# Allegro board LAY-27392_C.brd (continued)
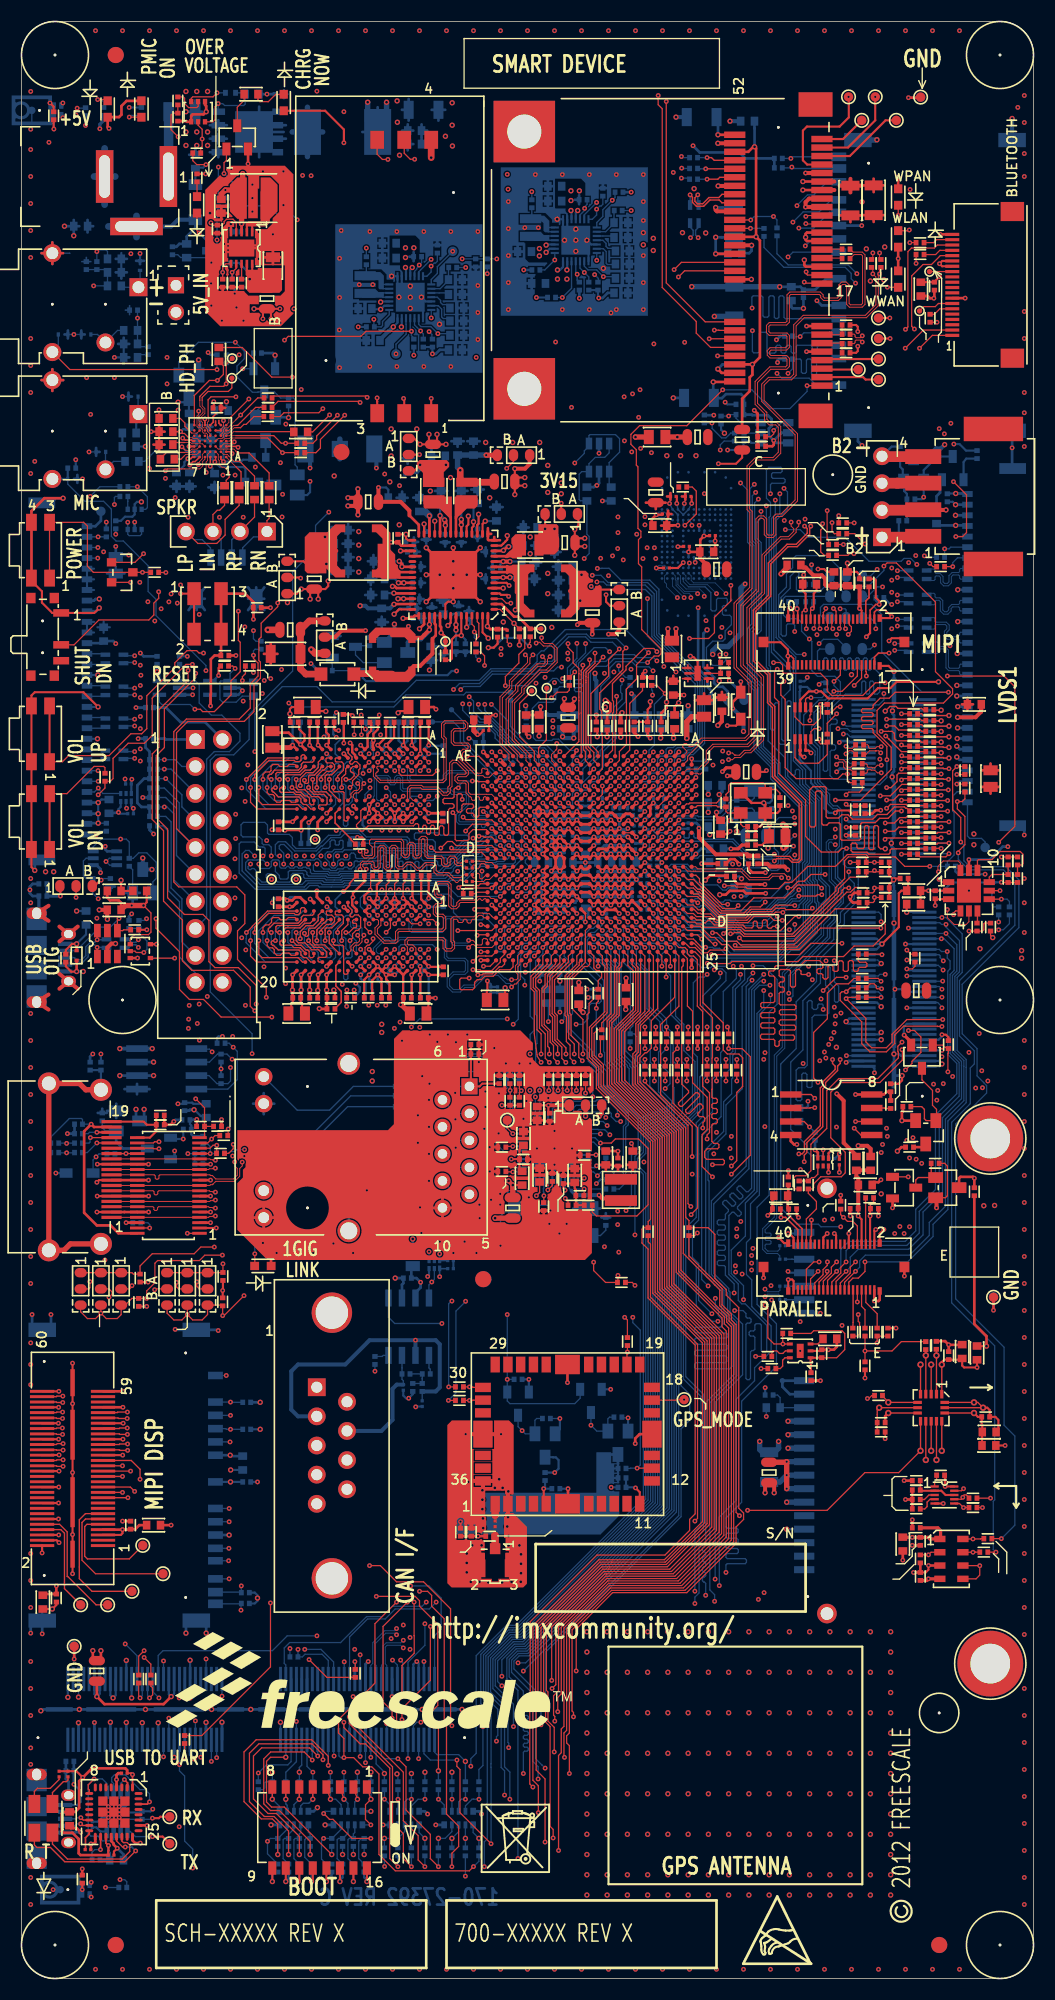
[diagram p0: board, top side]
## Routing (per net, layer and track width the routed paths; a pad name or vN(x,y) marks a point on that pad's centre or on a via; arc(x,y) is an arc through that point) (continued)
SD2_DATA0: length 90.5
  TOP w0.119: U1.A22 63.61,98.21 v1(64.01,97.81)
  L3_INT_1 w0.114: v1(71.37,139.7) 71.37,140.46 71.6,140.7 71.6,146.02 73.06,147.49 73.06,152.4 72.62,152.85 72.62,156.92 73.25,157.56 73.25,162.36 72.59,163.02 v1(72.59,165.25)
  BOTTOM w0.119: v1(72.59,165.25) 73.56,166.22 75.06,166.22 76.19,167.35 J500.7 ; v1(64.01,97.81) 64.01,97.21 63.99,97.2 63.99,96.44 64.42,96.01 64.69,96.01 64.73,95.96 65.1,95.96 65.16,96.02 71.36,96.02 72.3,96.96 73.12,96.96 74.67,98.51 74.67,99.7 75.25,100.28 75.25,101.1 75.7,101.55 75.7,102.77 75.09,103.39 75.01,103.46 75.01,104.14 75.04,104.17 75.04,110.85 73.5,112.39 73.5,113.71 72.64,114.58 72.64,123.18 70.8,125.02 70.8,137.29 71.37,137.85 v1(71.37,139.7)
SD2_DATA1: length 93.5
  TOP w0.178: U1.E20 v1(60.27,99.41)
  L3_INT_1 w0.114: v1(72.97,166.8) 72.16,165.99 72.16,162.89 72.82,162.23 72.82,157.81 72.11,157.1 72.11,153.8 69.85,151.54 69.85,148.51 70.1,148.27 v1(70.1,138.56)
  BOTTOM w0.119: v1(60.27,99.41) 60.68,99 61.23,99 61.46,98.77 61.46,98.45 61.71,98.2 64.17,98.2 64.64,97.72 65.47,97.72 65.9,97.29 66.46,97.29 67.06,96.69 71.09,96.69 72.02,97.62 72.85,97.62 74.01,98.78 74.01,100.91 74.43,101.33 74.43,103.11 74.2,103.34 74.2,104.69 74.38,104.87 74.38,110.58 71.89,113.06 71.89,114.83 70.26,116.45 70.26,123.24 70.1,123.41 v1(70.1,138.56) ; J500.8 75.81,169.05 74.57,167.82 73.96,167.82 72.97,166.83 v1(72.97,166.8)
SD2_DATA2: length 91
  TOP w0.119: v1(66.29,96.9) 66.17,96.77 64.81,96.77 64.54,96.51 64.2,96.51 63.3,97.41 U1.A23
  L3_INT_1 w0.114: v1(70.48,139.7) 70.48,140.59 70.8,140.9 70.8,144.14 70.4,144.54 70.4,145.81 72.63,148.04 72.63,149.97 71.58,151.03 v1(71.09,151.03)
  BOTTOM w0.119: v1(70.48,139.7) 70.48,140.56 70.61,140.69 71.73,140.69 71.86,140.82 71.86,141.02 71.73,141.15 70.71,141.15 70.59,141.27 70.59,141.56 70.71,141.68 71.45,141.68 71.58,141.81 71.58,142.06 71.45,142.19 70.33,142.19 70.1,141.96 70.1,139.27 70.48,138.89 70.48,137.61 70.36,137.49 70.36,137.48 70.36,137.47 70.36,123.55 70.48,123.42 70.48,117.59 70.6,117.47 70.75,117.47 70.87,117.59 70.87,119.93 70.98,120.04 71.14,120.04 71.25,119.93 71.25,116.28 71.4,116.13 71.86,116.13 72.11,115.88 72.11,113.16 74.6,110.67 74.6,104.78 74.48,104.66 74.48,103.37 74.65,103.2 74.65,101.3 74.81,101.13 74.81,100.47 74.23,99.88 74.23,98.69 72.94,97.4 72.12,97.4 71.18,96.46 66.73,96.46 v1(66.29,96.9) ; v1(71.09,151.03) 71.55,150.57 74.13,150.57 74.78,149.92 J500.9
SD2_DATA3: length 90.6
  TOP w0.119: U1.B22 62.67,97.81 63.23,97.81 63.47,97.58 63.47,97.56 63.99,97.04 v1(64.38,97.04)
  L3_INT_1 w0.114: v1(70.94,139.1) 70.94,140.48 71.32,140.87 71.32,146.1 72.85,147.62 72.85,150.32 v1(72.14,151.03)
  BOTTOM w0.119: v1(64.38,97.04) 65.03,97.04 65.12,96.95 65.69,96.95 66.4,96.24 71.27,96.24 72.21,97.18 73.03,97.18 74.45,98.6 74.45,99.79 75.03,100.37 75.03,101.23 74.9,101.36 74.9,103.26 74.7,103.46 74.7,104.57 74.82,104.69 74.82,110.76 73.24,112.33 73.24,113.64 73.12,113.77 72.95,113.77 72.82,113.64 72.82,113.31 72.74,113.22 72.5,113.22 72.41,113.31 72.41,120.11 72.3,120.22 72.15,120.22 72.03,120.11 72.03,116.59 71.91,116.46 71.67,116.46 71.54,116.59 71.54,120.46 72.34,121.26 72.34,123.03 70.58,124.79 70.58,137.38 70.94,137.74 v1(70.94,139.1) ; v1(72.14,151.03) 72.56,151.45 R549.1 73.27,152.37 73.39,152.26 73.39,151.15 73.51,151.03 73.75,151.03 73.87,151.15 73.87,152.26 73.99,152.37 74.22,152.37 74.34,152.26 74.34,151 74.47,150.88 74.69,150.88 74.82,151 74.82,152.26 74.94,152.37 75.98,152.37 76.03,152.42 J500.1
SD2_DATA4: length 90.5
  TOP w0.119: U1.A19 63.28,100.61 63.66,100.23 63.91,100.23 63.97,100.17 64.86,100.17 65.46,99.58 68.26,99.58 68.85,100.17 70.8,100.17 70.96,100.34 71.63,100.34 v1(71.65,100.31)
  L3_INT_1 w0.114: v1(69.09,139.83) 69.35,140.09 69.35,140.75 67.87,142.23 67.87,156.41 68,156.54 68.66,156.54 68.78,156.41 v1(68.78,155.04)
  BOTTOM w0.119: J500.10 75.01,153.67 74.89,153.55 74.89,153.1 74.77,152.98 74.53,152.98 74.41,153.1 74.41,153.55 74.29,153.67 73.02,153.67 72.9,153.55 72.9,153.05 72.78,152.93 72.55,152.93 72.43,153.05 72.43,153.55 72.31,153.67 72.07,153.67 71.95,153.55 71.95,153.05 71.83,152.93 71.59,152.93 71.47,153.05 71.47,153.55 71.35,153.67 71.11,153.67 70.99,153.55 70.99,153.05 70.87,152.93 70.28,152.93 70.15,153.06 70.15,154.76 70.03,154.89 69.55,154.89 69.42,154.76 69.42,153.09 69.29,152.96 68.91,152.96 68.78,153.09 v1(68.78,155.04) ; v1(71.65,100.31) 71.91,100.58 72.93,100.58 73.16,100.8 73.16,101 73.76,101.6 73.76,102.71 73.5,102.97 73.5,104.93 73.71,105.15 73.71,110.3 70.94,113.08 70.94,114.18 69.38,115.75 69.38,121.45 68.77,122.05 68.77,126.75 69.17,127.14 69.17,134.92 68.77,135.32 68.77,139.51 v1(69.09,139.83)
SD2_DATA5: length 92.5
  TOP w0.119: v1(64.14,100.56) 63.68,100.56 63.23,101.01 62.67,101.01 U1.B18
  L3_INT_1 w0.114: v1(68.96,140.59) 67.49,142.06 67.49,157.02 67.61,157.15 68.73,157.15 v1(68.76,157.17)
  BOTTOM w0.119: J500.11 71.88,156.17 71.75,156.3 71.75,158.19 71.63,158.32 71.4,158.32 71.27,158.19 71.27,156.31 71.15,156.18 70.97,156.18 70.84,156.31 70.84,158.19 70.71,158.32 70.46,158.32 70.33,158.19 70.33,156.44 70.21,156.31 69.9,156.31 69.77,156.44 69.77,158.19 69.65,158.32 68.86,158.32 68.73,158.19 68.73,157.2 v1(68.76,157.17) ; v1(64.14,100.56) 64.14,100.11 64.57,99.67 67.19,99.67 67.54,99.31 69.94,99.31 70.96,100.34 71.03,100.34 71.53,100.84 72.03,100.84 72.57,101.38 73.23,101.38 73.54,101.69 73.54,102.62 73.15,103 73.15,104.9 73.49,105.24 73.49,110.21 70.71,112.99 70.71,114.09 69.15,115.65 69.15,121.3 68.55,121.91 68.55,126.89 68.94,127.28 68.94,134.84 68.55,135.23 68.55,140.17 v1(68.96,140.59)
SD2_DATA6: length 91.7
  TOP w0.119: v1(72.11,102.63) 72.47,102.63 73.09,103.25 73.66,103.25 74.3,103.89 v1(75.62,103.89)
  TOP w0.178: v1(60.27,101.81) U1.E17
  L3_INT_1 w0.114: v1(75.62,103.89) 75.62,104.3 75.61,104.31 75.61,106.16 75.61,106.16 75.61,112.01 76.2,112.59 76.2,113.13 76.2,113.13 76.2,115.06 76.32,115.18 76.32,117.68 76.32,118.4 76.32,118.4 76.32,120.65 75.95,121.02 75.95,123.56 73.47,126.04 73.47,126.99 71.82,128.64 71.82,131.2 73.46,132.84 73.46,133.68 75,135.22 75,137.73 73.04,139.68 73.04,143.26 80.16,150.38 80.16,156.26 74.05,162.37 74.05,162.73 v1(73.76,163.02)
  BOTTOM w0.119: J500.12 74.42,163.68 v1(73.76,163.02) ; v1(60.27,101.81) 60.68,102.22 61.23,102.22 61.48,102.47 61.48,102.77 61.71,103 62.35,103 63.25,102.11 64.08,102.11 65.28,100.91 65.97,100.91 66.31,100.57 69.94,100.57 71.1,101.72 71.66,101.72 72.11,102.17 v1(72.11,102.63)
SD2_DATA7: length 92.9
  TOP w0.119: v1(73.15,101.85) 74.77,101.85 74.9,101.98 v1(75.31,101.98)
  TOP w0.178: v1(61.87,101.01) U1.C18
  L3_INT_1 w0.114: v1(73.15,164.69) 73.15,162.92 79.8,156.26 79.8,150.54 72.83,143.56 72.83,139.04 74.75,137.11 74.75,135.44 73.13,133.82 73.13,132.82 71.56,131.25 71.56,128.59 73.25,126.9 73.25,125.95 75.69,123.51 75.69,120.97 76.1,120.56 76.1,118.31 76.1,115.27 75.98,115.15 75.98,113.04 75.98,113.04 75.98,112.68 75.4,112.1 75.4,106.25 75.4,106.25 75.4,104.21 75.23,104.05 75.23,103.73 75.68,103.28 75.68,102.35 v1(75.31,101.98)
  BOTTOM w0.119: v1(73.15,101.85) 72.9,101.6 72.48,101.6 71.94,101.06 71.37,101.06 70.2,99.89 65.35,99.89 64.3,100.95 63.93,100.95 63.81,100.83 62.37,100.83 62.31,100.89 62.27,100.89 62.15,101.01 v1(61.87,101.01) ; J500.13 76.03,166.18 74.55,164.69 v1(73.15,164.69)
SD2_WP: length 93.8
  TOP w0.178: v1(61.07,101.81) U1.D17
  L3_INT_1 w0.114: v1(67.67,140.72) 66.8,141.59 66.8,142.81 67.16,143.17 67.16,166.01 v1(72.4,171.25)
  BOTTOM w0.119: v1(61.07,101.81) 61.32,101.81 61.71,102.2 62.21,102.2 62.58,101.83 64.04,101.83 65.54,100.33 70.02,100.33 71.19,101.5 71.75,101.5 72.29,102.04 72.38,102.04 72.68,102.34 72.68,102.65 72.93,102.91 72.93,104.99 73.27,105.33 73.27,110.12 70.49,112.89 70.49,114 68.93,115.56 68.93,121.21 68.33,121.82 68.33,127.05 68.71,127.44 68.71,134.74 68.33,135.13 68.33,140.06 v1(67.67,140.72)
  BOTTOM w0.127: J500.15 72.55,171.4 v1(72.4,171.25) R502.2
SD3_CD_B: length 123.3
  TOP w0.119: v1(63.64,101.22) 63.56,101.22 63.37,101.41 U1.A18
  L6_INT_2 w0.114: v1(63.64,101.22) 63.64,100.39 63.72,100.32 63.72,99.95 64.88,98.78 67.23,98.78 67.71,98.3 67.72,98.3 67.94,98.08 67.94,97.41 66.29,95.76 66.29,94.49 66.04,94.23 64.77,94.23 64.52,94.48 v1(64.52,94.49) ; v1(20.7,36.96) 22.48,36.96 25.24,34.19 30.15,34.19 33.8,37.85 39.62,37.85 41.73,35.74 47.72,35.74 48.44,36.46 v1(63.37,36.46)
  BOTTOM w0.119: v1(64.52,94.49) 64.52,94.49 64.26,94.23 63.76,94.23 63.22,93.69 63.22,87.1 63.6,86.72 63.6,81.56 62.29,80.25 62.29,56.43 63.95,54.77 63.95,42.64 63.37,42.06 v1(63.37,36.46) ; J507.14 20.66,36.37 20.7,36.33 ; 20.7,36.33 v1(20.7,36.96) ; 20.7,36.33 R674.2
SD3_CLK: length 139.3
  TOP w0.178: U1.D14 v1(61.07,104.21)
  L6_INT_2 w0.114: v1(68.83,95.3) 68.83,96.68 69.09,96.93 69.09,98.8 68.4,99.48 68.4,101.24 68.23,101.42 66.81,101.42 66.66,101.57 66.25,101.57 65.75,101.07 64.87,101.07 63.83,102.11 62.92,102.11 62.03,103 61.73,103 61.48,103.25 61.48,103.8 v1(61.07,104.21) ; v1(19.56,44.24) 20.12,44.24 21.16,45.29 24.71,45.29 30.12,39.88 39.62,39.88 40.86,38.64 46.83,38.64 46.84,38.63 47.19,38.63 47.2,38.64 47.59,38.64 48.01,38.23 v1(66.29,38.23)
  BOTTOM w0.119: v1(66.29,38.23) 66.29,38.92 66.41,39.04 68.1,39.04 68.22,39.17 68.22,39.39 68.1,39.52 66.41,39.52 66.29,39.64 66.29,39.88 66.41,40 67.34,40 67.46,40.13 67.46,40.35 67.34,40.48 66.41,40.48 66.29,40.6 66.29,40.83 66.41,40.95 67.32,40.95 67.44,41.07 67.44,41.31 67.32,41.43 66.41,41.43 66.29,41.55 66.29,41.79 66.41,41.91 67.32,41.91 67.44,42.03 67.44,42.27 67.32,42.39 66.41,42.39 66.29,42.51 66.29,43.34 67.77,44.82 67.77,54.33 71.04,57.61 71.04,61.62 69.22,63.44 69.22,72.58 70.35,73.71 70.35,90.93 71.11,91.68 71.11,93.99 69.8,95.3 v1(68.83,95.3) ; v1(19.56,44.24) J507.5
SD3_CMD: length 138.7
  TOP w0.178: U1.B13 v1(62.67,105.81)
  L6_INT_2 w0.114: v1(62.67,105.81) 63.05,105.42 63.63,105.42 63.9,105.7 69.11,105.7 69.58,105.22 69.91,105.22 71.12,104.01 71.12,101.5 70.73,101.11 70.73,98.84 71.53,98.04 71.53,93.91 70.59,92.96 v1(69.85,92.96) ; v1(67.94,63.88) 67.94,63.35 68.45,62.84 73.58,62.84 73.71,62.71 73.71,62.33 73.58,62.21 68.33,62.21 67.28,63.25 60.25,63.25 59.97,63.53 47.47,63.53 47.29,63.7 42.88,63.7 42.52,63.35 39.42,63.35 39.31,63.46 39.31,64.02 39.19,64.14 38.97,64.14 38.85,64.02 38.85,63.46 38.74,63.35 38.51,63.35 38.39,63.46 38.39,64.02 38.28,64.14 38.05,64.14 37.94,64.02 37.94,63.46 37.82,63.35 37.59,63.35 37.48,63.46 37.48,64.02 37.37,64.14 37.14,64.14 37.02,64.02 37.02,63.46 36.91,63.35 36.55,63.35 35.84,62.64 35.68,62.64 35.04,63.28 34.88,63.28 34.72,63.11 34.72,62.95 35.36,62.31 35.36,62.15 35.19,61.99 35.03,61.99 34.39,62.63 34.23,62.63 34.07,62.47 34.07,62.31 34.71,61.67 34.71,61.51 34.55,61.34 34.38,61.34 33.75,61.98 33.58,61.98 33.42,61.82 33.42,61.66 34.06,61.02 34.06,60.86 33.9,60.7 33.74,60.7 33.1,61.34 32.94,61.34 32.78,61.17 32.78,61.01 33.41,60.37 33.41,60.21 33.25,60.05 33.09,60.05 32.45,60.69 32.29,60.69 32.13,60.53 32.13,60.37 32.77,59.73 32.77,59.57 32.51,59.31 26.17,59.31 23.88,57.02 21.46,57.02 20.45,56.01 20.45,52.45 v1(19.69,51.69)
  BOTTOM w0.119: v1(69.85,92.96) 69.85,91.44 69.22,90.81 69.22,74.07 68.12,72.97 68.12,69.88 66.79,68.55 66.79,66.34 67.04,66.09 67.06,66.09 67.94,65.2 v1(67.94,63.88) ; J507.2 19.24,51.75 19.3,51.69 v1(19.69,51.69) R670.2
SD3_DATA0: length 137.2
  TOP w0.178: U1.E14 v1(60.27,104.21)
  L6_INT_2 w0.114: v1(60.27,104.21) 60.52,104.21 60.68,104.37 60.68,104.37 60.91,104.6 62.11,104.6 62.9,103.81 64.9,103.81 65.1,104.01 65.53,104.01 67.26,102.28 68.09,102.28 68.9,101.47 68.9,99.69 69.58,99 69.58,95.12 69.08,94.61 v1(68.83,94.61) ; v1(64.39,36.07) 64.39,36.07 48.51,36.07 47.97,35.53 41.64,35.53 39.57,37.59 33.85,37.59 30.24,33.98 25.05,33.98 24.23,34.8 21.97,34.8 20.19,36.58 20.19,37.95 19.89,38.25 18.21,38.25 18.08,38.38 18.08,39.19 18.21,39.32 v1(19.51,39.32)
  BOTTOM w0.119: v1(68.83,94.61) 68.83,94.58 68.33,94.07 68.33,93.85 67.82,93.34 67.82,86.53 67.83,86.52 67.83,83.73 66.29,82.19 66.29,79.48 64.61,77.79 64.61,75.13 64.7,75.04 64.7,66.16 66.11,64.76 66.11,62.68 67.08,61.71 67.08,56.9 64.39,54.2 64.39,40.78 64.27,40.66 64.2,40.66 64.08,40.54 64.08,40.3 64.2,40.18 64.27,40.18 64.39,40.06 64.39,39.82 64.27,39.7 64.2,39.7 64.08,39.58 64.08,39.34 64.2,39.23 64.27,39.23 64.39,39.11 64.39,38.87 64.27,38.75 64.2,38.75 64.08,38.63 64.08,38.39 64.2,38.27 64.27,38.27 64.39,38.15 64.39,37.91 64.27,37.79 64.2,37.79 64.08,37.67 64.08,37.43 64.2,37.32 64.27,37.32 64.39,37.2 v1(64.39,36.07) ; J507.7 v1(19.51,39.32)
SD3_DATA1: length 137.2
  TOP w0.178: U1.F14 v1(59.47,104.21)
  L6_INT_2 w0.114: v1(59.47,104.21) 59.85,104.6 60.6,104.6 60.82,104.81 62.2,104.81 62.97,104.04 64.82,104.04 65.02,104.24 65.61,104.24 67.35,102.5 68.18,102.5 69.13,101.55 69.13,99.77 69.8,99.09 69.8,95.03 68.75,93.98 v1(68.75,93.94) ; v1(65.23,35.51) 63.98,35.51 63.8,35.69 48.51,35.69 48.13,35.31 41.53,35.31 39.5,37.34 33.91,37.34 30.33,33.76 22.37,33.76 20.88,35.26 18.54,35.26 18.41,35.38 18.41,37.49 18.54,37.62 v1(19.56,37.62)
  BOTTOM w0.119: v1(68.75,93.94) 68.75,93.89 68.2,93.34 68.2,76.45 64.92,73.18 64.92,66.26 66.33,64.85 66.33,64.63 66.45,64.5 66.45,62.65 67.31,61.79 67.31,56.72 64.78,54.19 64.78,36.58 65.23,36.13 v1(65.23,35.51) ; J507.8 v1(19.56,37.62)
SD3_DATA2: length 138.7
  TOP w0.119: v1(66.46,101.07) 65.91,101.07 63.8,103.17 63.8,103.48 63.47,103.81 U1.A15
  L6_INT_2 w0.114: v1(67.66,94.49) 67.37,94.79 67.37,96.22 68.38,97.23 68.38,98.26 67.9,98.74 67.89,98.74 66.35,100.27 66.35,100.56 66.46,100.66 v1(66.46,101.07) ; v1(64.62,65.18) 65.03,65.18 65.08,65.23 67.28,65.23 67.46,65.41 67.46,65.82 67.29,65.99 57,65.99 56.79,65.78 55.84,65.78 55.3,66.32 40,66.32 39.88,66.19 39.88,66.01 40,65.89 54.41,65.89 54.53,65.76 54.53,65.57 54.41,65.44 39.09,65.44 38.96,65.32 38.96,65.02 38.84,64.9 36.6,64.9 35.79,64.09 32.23,64.09 32.03,63.88 32.03,61.87 30.61,60.45 27.3,60.45 26.52,61.24 26.52,63.35 26.29,63.58 25.35,63.58 23.21,61.44 23.21,61.29 23.4,61.1 23.4,60.94 23.3,60.84 23.14,60.84 22.95,61.03 22.8,61.03 22.69,60.92 22.69,60.77 22.88,60.58 22.88,60.42 22.77,60.32 22.62,60.32 22.43,60.5 22.28,60.5 22.17,60.4 22.17,60.24 22.36,60.05 22.36,59.9 22.25,59.79 22.1,59.79 21.91,59.98 21.76,59.98 21.65,59.88 21.65,59.72 21.84,59.53 21.84,59.38 21.73,59.27 21.58,59.27 21.39,59.46 21.24,59.46 20.26,58.48 20.26,57.72 v1(19.29,56.75)
  BOTTOM w0.119: v1(64.62,65.18) 64.01,65.79 64.01,79.27 65.84,81.1 65.84,84.73 66.68,85.58 66.68,86.99 66.94,87.25 66.94,93.25 67.66,93.98 v1(67.66,94.49) ; J507.9 v1(19.29,56.75)
SD3_DATA3: length 140.2
  TOP w0.119: v1(67.44,100.96) 67.17,100.68 65.98,100.68 63.97,102.69 63.97,102.69 63.25,103.41 62.67,103.41 U1.B15
  L6_INT_2 w0.114: v1(19.69,54.25) 19.69,56.52 21.24,58.07 21.39,58.07 21.59,57.87 21.75,57.87 21.85,57.97 21.85,58.13 21.65,58.33 21.65,58.48 21.76,58.59 21.91,58.59 22.12,58.39 22.27,58.39 22.38,58.49 22.38,58.65 22.17,58.85 22.17,59 22.28,59.11 22.43,59.11 22.64,58.91 22.79,58.91 22.9,59.02 22.9,59.17 22.69,59.37 22.69,59.52 23.24,60.07 30.73,60.07 34.53,63.87 35.88,63.87 36.69,64.68 42.28,64.68 42.62,64.34 47.68,64.34 47.9,64.11 60.4,64.11 60.5,64.01 v1(65.3,64.01) ; v1(67.44,100.96) 67.91,100.49 67.91,99.27 68.59,98.59 68.59,97.14 67.76,96.3 v1(67.76,95.25)
  BOTTOM w0.119: v1(67.76,95.25) 68.05,94.95 68.05,93.98 67.18,93.11 67.18,87.12 66.93,86.87 66.93,84.73 66.83,84.63 66.83,83.25 66.07,82.5 66.07,79.71 64.39,78.02 64.39,66.17 65.89,64.67 65.89,62.59 66.86,61.62 66.86,57.61 66.63,57.38 63.47,57.38 63.35,57.5 63.35,57.84 63.47,57.96 66.24,57.96 66.37,58.09 66.37,58.47 66.24,58.6 63.47,58.6 63.35,58.72 63.35,59 63.47,59.13 66.27,59.13 66.4,59.26 66.4,59.56 66.27,59.69 63.47,59.69 63.35,59.82 63.35,60.15 63.47,60.27 66.34,60.27 66.47,60.4 66.47,60.63 66.34,60.76 63.47,60.76 63.35,60.88 63.35,61.16 63.47,61.29 65.74,61.29 65.99,61.54 65.99,61.98 65.58,62.38 65.58,62.97 65.3,63.25 v1(65.3,64.01) ; J507.1 v1(19.69,54.25) 19.71,54.23 R667.1
SD3_DATA4: length 137.6
  TOP w0.178: v1(61.07,105.81) U1.D13
  L6_INT_2 w0.114: v1(61.07,105.81) 61.63,105.25 62.02,105.25 62.02,105.25 62.38,105.25 63.15,104.47 64.64,104.47 64.85,104.68 65.98,104.68 67.59,103.07 68.45,103.07 69.56,101.97 69.56,99.94 70.23,99.27 70.23,97.71 70.58,97.36 70.58,94.59 70.29,94.31 70.29,94.3 v1(69.85,93.85) ; v1(19.69,53) 19.67,52.98 19.35,52.98 19.2,52.83 19.2,52.17 19.08,52.04 18.39,52.04 18.38,52.05 16.84,52.05 16.71,52.18 16.71,52.38 16.84,52.51 18.38,52.51 18.49,52.63 18.49,52.85 18.38,52.97 16.84,52.97 16.71,53.1 16.71,53.3 16.84,53.43 18.38,53.43 18.49,53.54 18.49,53.77 18.38,53.88 17.23,53.88 17.12,54 17.12,54.23 17.23,54.34 18.38,54.34 18.49,54.45 18.49,54.68 18.38,54.8 17.23,54.8 17.12,54.91 17.12,55.14 17.25,55.27 19.1,55.27 19.23,55.14 19.23,53.85 19.46,53.62 19.81,53.62 20.07,53.88 20.07,56.27 21.21,57.4 23.72,57.4 26.01,59.69 30.86,59.69 34.82,63.65 35.97,63.65 36.78,64.47 42.04,64.47 42.47,64.03 47.47,64.03 47.7,63.8 60.1,63.8 60.28,63.62 66.94,63.62 67.06,63.75 v1(67.06,64.52)
  BOTTOM w0.119: v1(69.85,93.85) 69.53,93.85 68.71,93.03 68.71,74.37 68.38,74.04 68.21,74.04 67.68,74.57 67.51,74.57 67.34,74.4 67.34,74.24 67.87,73.71 67.87,73.54 67.7,73.37 67.53,73.37 67,73.9 66.84,73.9 66.67,73.73 66.67,73.56 67.2,73.03 67.2,72.86 67.03,72.69 66.86,72.69 66.33,73.22 66.16,73.22 65.99,73.05 65.99,72.88 66.52,72.35 66.52,72.19 66.24,71.91 66.24,71.51 66.12,71.39 65.6,71.39 65.48,71.27 65.48,71.03 65.6,70.91 66.12,70.91 66.24,70.79 66.24,70.56 66.12,70.44 65.6,70.44 65.48,70.32 65.48,70.08 65.6,69.96 66.12,69.96 66.24,69.84 66.24,69.6 66.12,69.48 65.6,69.48 65.48,69.36 65.48,69.12 65.6,69 66.12,69 66.24,68.88 66.24,68.65 66.12,68.53 65.6,68.53 65.48,68.41 65.48,68.17 65.6,68.05 66.12,68.05 66.24,67.93 66.24,67.69 66.12,67.57 65.6,67.57 65.48,67.45 65.48,67.21 65.6,67.09 66.12,67.09 66.24,66.97 66.24,66.19 67.06,65.37 v1(67.06,64.52) ; J507.10 v1(19.69,53)
SD3_DATA5: length 139
  TOP w0.178: U1.C13 v1(61.87,105.81)
  L6_INT_2 w0.114: v1(67.11,62.86) 65.59,62.86 65.46,62.99 59.99,62.99 59.69,63.3 47.09,63.3 46.94,63.45 42.93,63.45 42.61,63.13 36.84,63.13 32.64,58.93 26.32,58.93 24.04,56.64 21.59,56.64 20.83,55.88 20.83,51.69 20.23,51.09 18.52,51.09 18.39,50.97 18.39,50.62 18.52,50.5 19.22,50.5 19.23,50.5 v1(19.64,50.5) ; v1(61.87,105.81) 62.22,105.46 62.47,105.46 62.99,104.94 63.49,104.94 64.04,105.48 69.02,105.48 69.49,105 69.82,105 70.9,103.92 70.9,101.59 70.52,101.2 70.52,97.73 70.79,97.45 70.79,93.82 v1(70.43,93.46)
  BOTTOM w0.119: J507.11 v1(19.64,50.5) ; v1(67.11,62.86) 67.9,62.86 68.17,62.59 68.17,62.27 68.29,62.16 68.54,62.16 68.66,62.04 68.66,61.8 68.54,61.68 68.29,61.68 68.17,61.56 68.17,56.48 68.29,56.36 68.48,56.36 68.61,56.49 68.61,58.97 68.73,59.1 68.88,59.1 69.01,59.23 69.01,60.34 68.89,60.46 68.6,60.46 68.48,60.58 68.48,60.82 68.6,60.94 68.89,60.94 69.01,61.06 69.01,61.49 69.14,61.62 69.49,61.62 69.62,61.49 69.62,59.08 69.75,58.95 70,58.95 70.13,59.08 70.13,61.47 68.11,63.49 67.78,63.49 67.45,63.82 67.45,65.37 66.57,66.25 66.57,71.8 66.87,72.11 67.04,72.11 67.39,71.75 67.56,71.75 67.73,71.92 67.73,72.09 67.38,72.44 67.38,72.61 68.96,74.19 68.96,92.97 69.45,93.46 v1(70.43,93.46)
SD3_DATA6: length 138.4
  TOP w0.178: v1(60.27,105.81) U1.E13
  L6_INT_2 w0.114: v1(69.85,94.49) 70.36,95 70.36,97.27 70.02,97.62 70.02,99.18 69.34,99.85 69.34,101.7 68.28,102.77 67.43,102.77 65.74,104.46 64.94,104.46 64.73,104.25 63.06,104.25 62.29,105.03 61.05,105.03 v1(60.27,105.81) ; v1(19.56,42.99) 20.46,42.99 20.57,42.88 20.57,42.5 20.67,42.39 20.83,42.39 20.94,42.5 20.94,42.88 21.04,42.99 21.2,42.99 21.3,42.88 21.3,42.5 21.41,42.39 21.56,42.39 21.67,42.5 21.67,42.88 21.78,42.99 23.94,42.99 24.46,42.47 24.46,37.41 26.68,35.19 30.54,35.19 33.7,38.35 34.42,38.35 34.57,38.51 34.87,38.51 35.03,38.35 35.33,38.35 35.48,38.51 35.79,38.51 35.94,38.35 36.25,38.35 36.4,38.51 36.7,38.51 36.86,38.35 37.16,38.35 37.31,38.51 37.62,38.51 37.77,38.35 40.39,38.35 42.07,36.67 47.47,36.67 48.39,37.59 v1(65.28,37.59)
  BOTTOM w0.119: v1(69.85,94.49) 68.45,93.09 68.45,76.2 65.15,72.89 65.15,66.35 66.55,64.94 66.55,64.72 66.67,64.59 66.67,62.74 67.1,62.32 67.12,62.32 67.86,61.58 67.86,56.82 65.28,54.24 v1(65.28,37.59) ; J507.12 v1(19.56,42.99)
SD3_DATA7: length 138.8
  TOP w0.178: U1.F13 v1(59.47,105.81)
  L6_INT_2 w0.114: v1(19.54,40.49) 20.62,40.49 26.29,34.83 30.48,34.83 33.75,38.1 39.88,38.1 41.52,36.46 47.56,36.46 48.06,36.96 65.64,36.96 v1(65.67,36.98) ; v1(70.48,92.56) 71.75,93.83 71.75,98.81 72.14,99.19 72.14,101.8 72.54,102.21 72.54,103.37 72.56,103.39 72.56,104.45 72.24,104.77 70.69,104.77 70.54,104.91 70.52,104.91 70,105.44 69.67,105.44 69.2,105.91 63.91,105.91 63.63,106.2 59.85,106.2 v1(59.47,105.81)
  BOTTOM w0.119: v1(65.67,36.98) 65.67,39.42 65.66,39.42 65.66,43.42 67.27,45.02 67.27,54.54 68.99,56.26 68.99,57.48 70.54,59.04 70.54,61.41 68.72,63.23 68.72,65.74 68.22,66.24 68.22,69.27 68.61,69.65 68.61,72.9 69.44,73.73 69.44,90.72 70.48,91.77 v1(70.48,92.56) ; J507.13 v1(19.54,40.49)
SD3_RST: length 116.6
  TOP w0.178: U1.D15 v1(61.07,103.41)
  L3_INT_1 w0.114: v1(62.41,153.95) 62.41,146.81 60.2,144.6 60.2,138.63 60.97,137.86 60.97,128.77 62.48,127.26 64.49,125.25 66.4,125.25 68.44,123.2 68.44,122.99 68.44,122.99 68.44,122.85 70.64,120.65 70.64,119.84 71.76,118.71 71.76,114.15 71.84,114.06 71.84,110.61 71.75,110.52 71.75,110.2 72.16,109.8 72.16,109.69 72.34,109.52 72.34,108.51 72.64,108.2 72.98,108.2 73.16,108.03 73.16,107.07 v1(72.64,106.55)
  L6_INT_2 w0.114: v1(20.5,152.77) 20.71,152.77 21.39,152.1 24.74,152.1 26.95,149.89 32.23,149.89 32.92,150.57 41.55,150.57 45.47,154.48 61.87,154.48 v1(62.41,153.95)
  BOTTOM w0.119: v1(72.64,106.55) 72.39,106.3 72.39,106.1 71.68,105.38 71.68,104.78 71.24,104.34 71.21,104.34 71.12,104.26 70.56,104.26 70.3,104.51 68.19,104.51 67.83,104.14 62.99,104.14 62.51,104.62 61.59,104.62 61.47,104.49 61.47,104.01 61.07,103.61 v1(61.07,103.41) ; R553.2 v1(20.5,152.77)
SD3_WP: length 119.8
  TOP w0.178: v1(61.87,101.81) U1.C17
  L6_INT_2 w0.114: v1(20.67,34.67) 21.8,33.55 31.64,33.55 34.42,36.32 36.7,36.32 37.08,35.93 40.39,35.93 41.27,35.05 48.26,35.05 48.51,35.3 v1(63.37,35.3) ; v1(65.77,94.62) 65.77,95.17 66.01,95.42 66.01,96.16 65.22,96.95 65.01,96.95 64.54,97.42 63.85,97.42 63.62,97.65 63.62,98.56 63.21,98.97 63.21,100.22 61.87,101.56 v1(61.87,101.81)
  BOTTOM w0.119: J507.15 20.67,35.27 ; 20.67,35.27 R675.2 ; 20.67,35.27 v1(20.67,34.67) ; v1(65.77,94.62) 65.77,94.11 64.13,92.47 64.13,85.13 63.83,84.84 63.83,81.48 62.51,80.16 62.51,56.64 64.17,54.98 64.17,42.14 63.76,41.73 63.76,36.29 63.37,35.9 v1(63.37,35.3)
SD4_CLK: length 58.9
  TOP w0.119: v1(62.86,126.09) 64.67,126.09 65.21,126.63 65.21,128.08 66.76,129.62 v1(66.76,131.08)
  TOP w0.178: U1.E16 v1(60.27,102.61)
  L3_INT_1 w0.114: v1(62.86,126.09) 63.45,125.51 63.45,122.44 67.09,118.8 67.6,118.8 69.29,117.11 69.29,110.41 69.76,109.95 69.77,109.94 69.78,109.92 70.87,108.84 70.87,106.43 71.58,105.71 v1(72.77,105.71) ; v1(63.09,136.73) 63.09,136.1 66.76,132.43 v1(66.76,131.08)
  BOTTOM w0.119: U512.W6 63.09,136.91 v1(63.09,136.73) ; v1(72.77,105.71) 72.77,105.71 72.77,105.36 72.56,105.15 72.56,103.38 72.2,103.02 71.83,103.02 70.49,101.68 69.83,101.68 69.52,101.37 66.78,101.37 66.67,101.47 66.22,101.47 66.03,101.28 65.39,101.28 65.14,101.52 65.14,101.53 64.11,102.57 63.55,102.57 62.32,103.8 61.71,103.8 61.48,103.57 61.48,103.26 61.22,103 60.66,103 v1(60.27,102.61)
SD4_CMD: length 62.4
  TOP w0.119: v1(74.42,100.71) 74.29,100.58 71.94,100.58 71.81,100.7 70.97,100.7 70.65,100.39 68.76,100.39 68.17,99.8 65.62,99.8 63.61,101.81 62.67,101.81 U1.B17 ; R20.2 63.12,140.34 63.5,139.95 63.5,137.8 v1(62.43,136.73)
  L3_INT_1 w0.114: v1(74.42,100.71) 74.8,101.09 74.8,104.23 74.96,104.39 74.96,106.43 74.97,106.43 74.97,108.45 74.96,108.46 74.96,111.11 74.96,111.29 74.96,112.27 75.55,112.86 75.55,115.33 75.67,115.45 75.67,117.95 75.67,118.13 74.43,119.37 74.43,119.71 73.41,120.74 73.41,124.01 73.16,124.25 73.16,125.41 69.82,128.75 67.39,128.75 66.83,129.32 66.83,130.45 66.17,131.11 66.17,131.8 62.43,135.53 v1(62.43,136.73)
  BOTTOM w0.119: U512.W5 62.28,136.89 v1(62.43,136.73)
SD4_DATA0: length 56
  TOP w0.178: v1(61.07,101.01) U1.D18
  L3_INT_1 w0.114: v1(62.36,129.93) 62.36,129.41 62.23,129.29 61.85,129.29 61.72,129.16 61.72,129.01 62.03,128.7 62.51,128.7 62.61,128.6 62.61,128.12 62.89,127.84 63.3,127.84 64.08,128.63 64.08,128.85 64.21,128.98 64.8,128.98 64.92,128.85 64.92,128.58 65.75,127.75 66.23,127.75 66.52,127.46 67.11,127.46 69.74,124.83 69.74,124.47 69.74,123.39 69.91,123.21 70.06,123.21 70.3,123.45 70.45,123.45 70.56,123.34 70.56,123.19 70.32,122.95 70.32,122.8 70.73,122.39 70.88,122.39 71.12,122.63 71.27,122.63 71.38,122.52 71.38,122.37 71.14,122.13 71.14,121.98 71.93,121.19 71.93,120.38 73.06,119.25 73.06,114.68 73.14,114.6 73.14,112.36 73.67,111.83 73.67,111.65 73.67,107.92 73.67,107.91 73.67,106.97 73.67,106.97 73.67,104.93 73.51,104.76 73.51,103.34 72.76,102.6 72.76,101.97 71.13,100.34 v1(71.13,99.95)
  BOTTOM w0.076: v1(62.36,129.93) 62.35,129.93 61.28,131 U512.H3
  BOTTOM w0.119: v1(61.07,101.01) 61.46,100.62 62.07,100.62 63.12,99.56 64.37,99.56 64.48,99.45 67.1,99.45 67.49,99.06 70.24,99.06 v1(71.13,99.95)
